# Altium PCB 400442.PcbDoc (part 4 of 4) (continued)
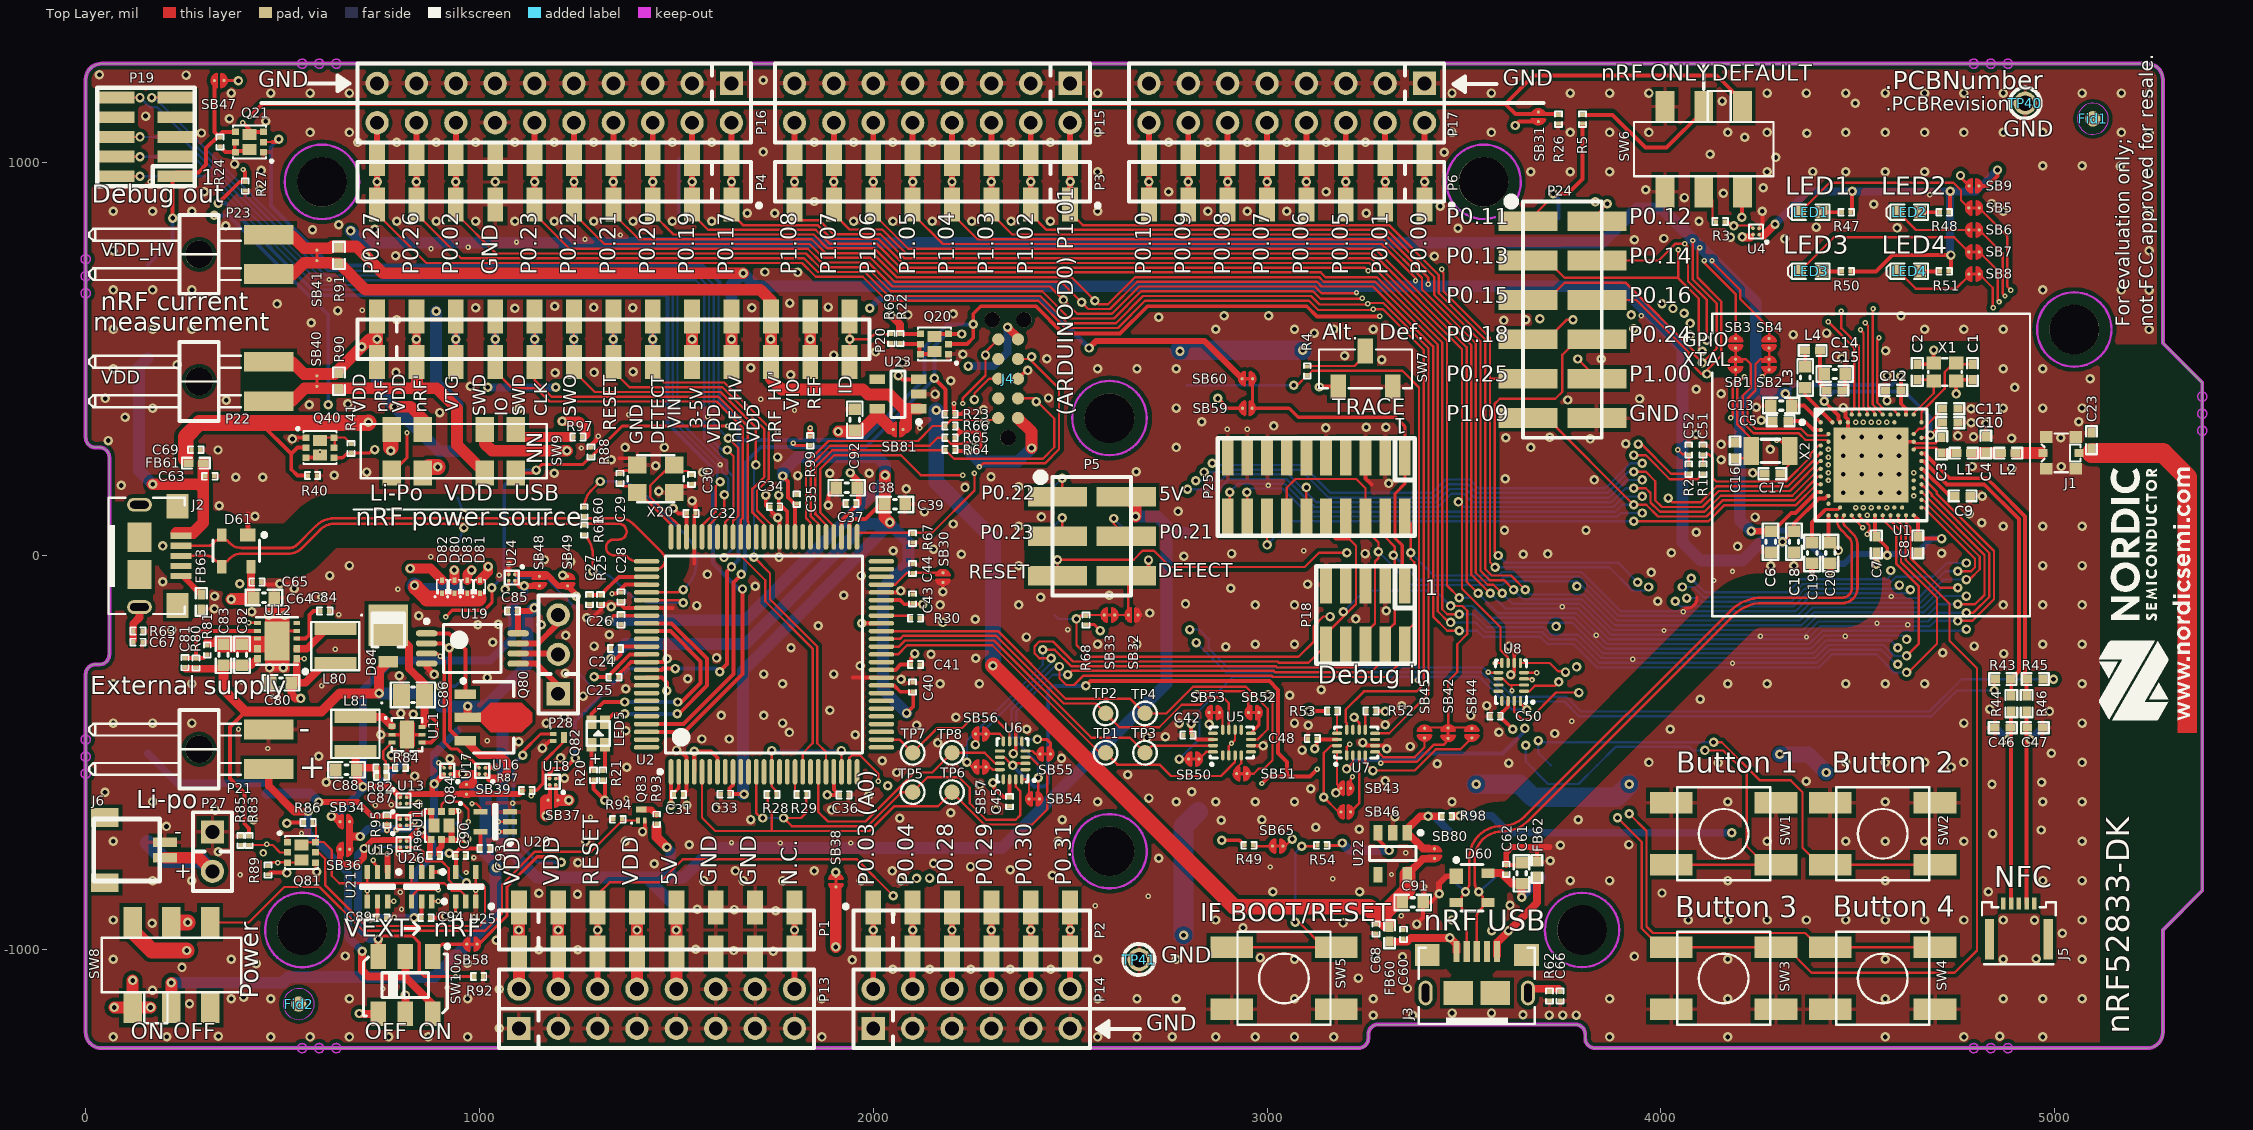
[diagram p0: Top Layer view]
## Nets (pads, with @x,y where several pads share a name; then routed paths per layer and width w, separated by ;. In a path a pad name is that pad's centre, name@x,y a point inside that pad or via, vN(x,y) a via of type N, cw(c..) or ccw(c..) an arc to the next point about the centre after c; other vN are vias at no path point) (continued)
  Bottom Layer w30: P7.1@1100,-1007.68 P7.1@1100,-892.32 ; P7.2@1200,-1007.68 P7.2@1200,-892.32 ; P7.4@1400,-1007.68 P7.4@1400,-892.32
VIO_REF: P20.12 P26.12 R99.2 | length 476.1
  Top Layer w15: R99.2@1840,304.62 1840,311.49 v2(1840,324.62)
  Top Layer w30: P20.12@1840,492.32 v1(1840,550) P20.12@1840,607.68
  Mid-Layer 1 w15: v2(1840,324.62) v1(1840,550)
  Bottom Layer w30: P26.12@1840,492.32 v1(1840,550) P26.12@1840,607.68
VLI-ION: D82.2 J6.2 P27.2 SW9.5 TP31.1 | length 1929.2
  Top Layer w25: v1(824,-32) 875.41,-32 D82.2@905,-61.59
  Top Layer w30: J6.2@201,-766.69 287.69,-766.69 P27.2@322,-801
  Top Layer w40: v1@775,275 775,318.6 SW9.5@777.52,321.12
  Mid-Layer 2 w40: P27.2@322,-801 306,-801 245.5,-740.5 245.5,-657.5 414,-489 414,-281 472,-223 552,-223 743,-32 775,-32 ; v1(775,267) 775,-32 ; 840,-32 v1(824,-32) 775,-32
  Bottom Layer w40: TP31.1@157.48,-728.35 201.13,-772 293,-772 P27.2@322,-801
VREG: C87.2 C88.2 L81.2 R82.2 SB34.2 SB48.2 TP47.1 U13.A1 U24.A2 | length 1453.2
  Top Layer w15: v1(704,-586) 772,-586 U13.A1@796.5,-610.5 ; 1094,-66.45 1093.45,-66.45 1103.3,-76.3 v1(1114,-76.3) 1138.1,-76.3 SB48.2@1151,-76.3
  Top Layer w20: v1(624,-661) 631.8,-661 639.94,-669.14 ; L81.2@685,-498.31 685,-539.43 C88.2@688.57,-543 ; v1(704,-586) 688.57,-570.57 C88.2@688.57,-543 ; C87.2@739.78,-560 738.78,-559 R82.2@738.78,-538 693.57,-538 C88.2@688.57,-543
  Bottom Layer w20: v1(624,-661) 635.57,-661 704,-592.57 v1(704,-586) ; TP47.1@826.77,-501.97 742.74,-586 v1(704,-586) ; v1(1114,-76.3) 1114,-97 1083,-128 1083,-209.6 1026.85,-265.75 778.25,-265.75 702.57,-341.43 704,-342.85 v1(704,-586)
VREG_EN: Q81.2 R83.2 R85.1 U20.2 | length 899.1
  Top Layer w5.91: R85.1@393.87,-734.22 R83.2@414.87,-734.22 474.94,-734.22 493.72,-753 Q81.2@510.6,-753 ; v2(1048,-675) U20.2@1077.4,-675
  Mid-Layer 1 w5.91: v2@460,-734.22 460,-654 512,-602 676,-602 680.91,-606.91 1022.91,-606.91 1048,-632 v2(1048,-675)
  other v2: 460,-732.22
VREG_EN_INV: Q81.6 R86.2 U21.3 U25.2 U26.3 | length 625.7
  Top Layer w5.91: Q81.6@548,-734.3 554.89,-727.41 Q81.6@585.2,-727.41 ; R86.2@576.22,-677 576.22,-677.59 578.54,-679.91 579.13,-679.91 584.69,-685.46 584.69,-726.69 604.69,-726.69 625,-747 625,-812 644,-831 715.41,-831 ; U21.3@715.41,-802.6 715.41,-831 ; U26.3@827.41,-802.6 827.41,-831 ; U25.2@965,-864 951,-850 930,-850 911,-831 827.41,-831 ; 715.41,-831 827.41,-831
VSENSE_SW_OUT: SB39.1 SW8.2 TP30.1 U16.A2 U17.A1 | length 1454.2
  Top Layer w9.84: U17.A1@925.87,-553.87 940,-553.87 ; 983.13,-553.87 U16.A2@999.13,-553.87
  Top Layer w20: 940,-553.87 983.13,-553.87 983.13,-577.57 980.5,-580.2 980,-580.7
  Top Layer w30: SW8.2@217.62,-1147.27 v1(217.62,-1084.01)
  Bottom Layer w30: v1(217.62,-1084.01) 501.05,-1084.01 516,-1069.06 885.94,-1069.06 1041,-914 1041,-781.13 1015,-755.13 1015,-611 v1(957,-553)
  other v1: 1043,-792
VSRC_NRF: SW9.2 SW10.5 | length 1640.2
  Top Layer w20: SW10.5@812,-1162.83 v1(812,-1115)
  Top Layer w40: SW9.2@856.26,210.88 871.38,226 v1(894,226)
  Mid-Layer 2 w40: v1@812,-1108 873,-1047 873,-870 1025,-718 1025,-518 840.93,-333.93 840.93,-236.07 890,-187.01 890,-16.95 856.26,16.79 856.26,188.26 v1(894,226)
VSUPPLY: C89.2 C90.2 C93.2 C94.2 Q84.4 R86.1 R87.1 R89.1 R96.1 SB34.1 SB36.1 SB39.2 TP29.1 U13.A2 U15.A2 U17.A2 U20.5 U21.5 U25.5 U26.5 | length 2144.7
  Top Layer w10: R89.1@463,-809.22 463.59,-809.22 468.81,-804 v1@511,-804 ; v1(511,-679) 513,-677 R86.1@553.78,-677 ; v1(722,-919) C89.2@740.78,-919 740.78,-877.62 U21.5@741,-877.4 ; v1(834,-919) C94.2@852.78,-919 852.78,-877.62 U26.5@853,-877.4 ; U25.5@939.41,-802.6 940.78,-801.23 C90.2@940.78,-761 940.78,-753.17 950.94,-743 C93.2@1002.78,-743 1002.78,-700.77 U20.5@1002.6,-700.59
  Top Layer w15: U15.A2@817.5,-721.5 842.9,-696.1 851.9,-696.1 v1(852.8,-695.2) 857.7,-700.1 857.7,-709.7 874.78,-726.78 R96.1@874.78,-759 ; U13.A2@818,-610 823.3,-604.7 880,-604.7 880,-584 v1(885,-579) U17.A2@907,-557 ; 880,-605 880,-604.9 952.8,-604.9 981.2,-604.9 1099.88,-604.9 R87.1@1108.78,-596 ; v1(923,-755) 934.78,-755 C90.2@940.78,-761
  Top Layer w18: SB36.1@670.4,-746.1 SB36.1@670.4,-745 670.4,-731.1 670.4,-688.9 SB34.1@670.4,-675
  Top Layer w20: 672.89,-712.59 v1(697,-712.59)
  Mid-Layer 2 w10: v1@511,-804 v1(511,-679) 546,-679 554,-687 671.41,-687 v1(697,-712.59)
  Bottom Layer w15: 880.3,-753.5 881.8,-755 v1(923,-755)
  Bottom Layer w20: v1(697,-712.59) 716.83,-692.76 v1@845.59,-692.76 ; v1(722,-919) v1(834,-919) 834,-808 880.3,-761.7 880.3,-753.5 880.3,-727.47 v1@850.42,-697.58 ; v1@853.8,-696.2 885,-665 v1(885,-579) 885,-502.8 TP29.1@944.88,-442.91
  other v1: 511,-805
VSUPPLY_EN: Q82.3 R87.2 U17.B2 U20.1 | length 604.7
  Top Layer w5.91: v2(897,-525) U17.B2@910.13,-538.13
  Top Layer w8: v3(1049.59,-700.59) U20.1@1077.4,-700.59 ; v3(1131.22,-609.78) R87.2@1131.22,-596 1144,-596 1161,-579 1161,-525 1214.78,-471.22 Q82.3@1214.78,-461
  Mid-Layer 1 w8: v2(897,-525) 946.91,-574.91 1031.91,-574.91 1066.78,-609.78 ; v3(1049.59,-700.59) 1067,-683.18 1067,-610 1066.78,-609.78 ; v3(1131.22,-609.78) 1066.78,-609.78
XC1: C1.1 U1.B24 X1.1 | length 230.9
  Top Layer w5.91: U1.B24@4661.95,339.27 4661.95,365.77 4721.01,424.82 4721.01,467.22 4740.51,486.72 C1.1@4791.45,486.72
XC2: C2.1 U1.A23 X1.3 | length 149.1
  Top Layer w5.91: U1.A23@4642.27,358.95 4642.27,362.51 4692.9,413.14 X1.3@4692.9,444.4 4689.95,447.35 C2.1@4651.45,447.35
XIN: C29.1 U2.75 X20.3 | length 205.6
  Top Layer w5.91: C29.1@1356.61,185.78 1357.2,185.78 1359.51,183.46 1359.51,182.87 1365.07,177.31 1384.34,177.31 X20.3@1400.6,161.06 ; X20.3@1400.6,160.94 1405.28,160.94 1486.39,79.84 U2.75@1486.39,48.23
XOUT: C30.1 U2.74 X20.1 | length 298.6
  Top Layer w5.91: U2.74@1506.07,48.23 1506.07,77.93 1500,84 1494.29,89.71 1493.48,89.71 1433.61,149.59 1433.61,178.61 1486.06,231.06 X20.1@1494.61,231.06 1509.99,215.68 1528.14,215.68 1535.7,208.13 1535.7,207.53 1538.02,205.22 C30.1@1538.61,205.22
pads on no net: Fid1.0 Fid2.0 J2.4 J2.6@136.53,129.92 J2.6@136.53,-129.92 J3.4 J3.6@3402.73,-1109.96 J3.6@3662.57,-1109.96 J4.0 J4.7 J4.9 J5.0 J5.1 J5.3 J5.5 J6.0 P18.7 P18.8 P19.7 P19.8 P21.0 P22.0 P23.0 P25.7 P25.8 P25.11 P25.13 SW8.1 U1. U1.A18 U1.AB2 U1.AC15 U1.AC19 U1.AC21 U1.B19 U1.T23 U1.V23 U2.6 U2.8 U2.10 U2.11 U2.13 U2.15 U2.16 U2.19 U2.25 U2.26 U2.28 U2.29 U2.30 U2.31 U2.32 U2.33 U2.37 U2.44 U2.48 U2.49 U2.50 U2.58 U2.64 U2.69 U2.86 U2.93 U2.94 U2.95 U2.96 U2.99 U2.100 U5.1 U5.5 U5.9 U5.13 U6.1 U6.5 U6.9 U6.13 U7.7 U7.11 U8.11 U8.12 U8.13 U12.5 U22.4 U23.4
copper on no net: | length 142.5
  Bottom Layer w10: 1506,866.53 1506,1009

## Polygon pours and split planes (outlines as drawn)
VDD on Mid-Layer 2 "Mid_Layer_2-VDD" (solid, remove dead copper, pour order 10): -150,-1400 -150,1450 5450,1450 5450,-1400
VDD_SAM on Mid-Layer 2 "Mid_Layer_2-VDD_SAM" (solid, pour order 8): 1410.89,53.95 1410.89,-565.79 2029.73,-565.79 2029.73,53.95
GND on Top Layer "Top_Layer-GND" (solid, remove dead copper, pour order 12): -150,-1400 -150,1450 5450,1450 5450,-1400
GND on Mid-Layer 1 "Mid_Layer_1-GND" (solid, remove dead copper, pour order 7): -150,-1400 -150,1450 5450,1450 5450,-1400
GND on Bottom Layer "Bottom_Layer-GND" (solid, remove dead copper, pour order 6): -150,-1400 -150,1450 5450,1450 5450,-1400

## Keep-outs
Top Layer:
  lines w6: 643.15,-934.14 ccw(c550,-950) 643.26,-934.8 ; 2693.15,-734.14 ccw(c2600,-750) 2693.26,-734.8 ; 3578.36,859.87 cw(c3550,950) 3617.82,884.21
Mid-Layer 1:
  circle w6: c2600,-750 r94.49
  circle w6: c3550,950 r94.49
  circle w6: c550,-950 r94.49
Mid-Layer 2:
  circle w6: c3550,950 r94.49
  circle w6: c550,-950 r94.49
  lines w6: 2574.04,-840.85 cw(c2600,-750) 2626.77,-840.62
Bottom Layer:
  circle w6: c2600,-750 r94.49
  circle w6: c3550,950 r94.49
  circle w6: c550,-950 r94.49
Keep-Out Layer:
  circle w6: c5050,575 r94.49
  circle w6: c600,950 r94.49
  circle w6: c2600,350 r94.49
  circle w6: c3800,-950 r94.49
  circle w3.94: c549.9,-1250 r11.81
  circle w3.94: c593.2,-1250 r11.81
  circle w3.94: c636.5,-1250 r11.81
  circle w3.94: c4881.38,-1250 r11.81
  circle w3.94: c4838.08,-1250 r11.81
  circle w3.94: c4794.78,-1250 r11.81
  circle w3.94: c5375.03,404.55 r11.81
  circle w3.94: c5375.03,361.25 r11.81
  circle w3.94: c5375.03,317.95 r11.81
  circle w3.94: c4794.78,1250 r11.81
  circle w3.94: c4838.08,1250 r11.81
  circle w3.94: c4881.38,1250 r11.81
  circle w3.94: c549.9,1250 r11.81
  circle w3.94: c593.2,1250 r11.81
  circle w3.94: c636.5,1250 r11.81
  circle w3.94: c0,667 r11.81
  circle w3.94: c0,710.3 r11.81
  circle w3.94: c0,753.6 r11.81
  circle w3.94: c0,-552.97 r11.81
  circle w3.94: c0,-509.67 r11.81
  circle w3.94: c0,-466.37 r11.81
  lines w10: 0,-1210 ccw(c40,-1210) 40,-1250 3232.24,-1250 ccw(c3232.24,-1225) 3257.24,-1225 3257.24,-1215 cw(c3282.24,-1215) 3282.24,-1190 3783.05,-1190 cw(c3783.05,-1215) 3808.05,-1215 3808.05,-1225 ccw(c3833.05,-1225) 3833.05,-1250 5235,-1250 ccw(c5235,-1210) 5275,-1210 5275,-950 5375,-850 5375,440 5275,540 5275,1210 ccw(c5235,1210) 5235,1250 40,1250 ccw(c40,1210) 0,1210 0,300.4 ccw(c25,300.4) 25,275.4 35,275.4 cw(c35,250.4) 60,250.4 60,-250.4 cw(c35,-250.4) 35,-275.4 25,-275.4 ccw(c25,-300.4) 0,-300.4 0,-1210

## Other copper
Top Layer:
  rectangle net ANT: 5311.79,-449.1 5361.79,-419.1
  rectangle net GND: 334,-245 479,-203
  rectangle net GND: 455,-293 517,-132
  pour cut-out: 4293,-15 4293,73.52 4318.45,73.52 4318.45,-15
  pour cut-out: 4665.2,218.21 4773.17,218.21 4773.17,291.04 4741.68,291.04 4741.68,332.21 4665.2,332.21
  pour cut-out: 4764,286.04 4764,235.96 4918.05,235.96 4918.05,286.04
  pour cut-out: 4631.6,388.48 4811.72,388.48 4811.72,546.06 4631.61,546.06
  pour cut-out: 1220.77,157.16 1365.16,157.16 cw(c1339.84,61.87) 1425.2,111.22 1477.36,49.21 cw(c1407.64,-14.58) 1501.97,-8.86 cw(c1433.91,1.34) 1425.2,-66.93 1361.22,-66.93 cw(c1366.63,57.77) 1274.59,-26.54 1251.16,6.66 ccw(c1220.87,-23.5) 1220.77,19.25 cw(c4827.76,88.2)
  pour cut-out: 3569.2,-1053 3569.2,-962 3803.94,-962 3803.94,-1053
  pour cut-out: 4356.83,-15.06 4356.83,43.99 4455.26,43.99 4455.26,-15.06
  pour cut-out: 4543.84,201.47 4543.84,260.53 4642.27,260.53 4642.27,201.47
  pour cut-out: 4635.31,74.01 4593.55,115.77 4663.15,185.37 4704.9,143.61
  pour cut-out: 2383,-32 2680.02,-32 2679.97,38 2383,38
  pour cut-out: 5114.97,-1300 5385.28,-1300 5383.76,538 5115.14,538
  pour cut-out: 50.98,-139.6 171.17,-139.6 170.94,139 51.01,139
  pour cut-out: 1141,-242 1141,-192 1091,-192 1091,-242
  pour cut-out: 443,788 393,788 393,738 443,738
  pour cut-out: 3401,155 3351,155 3351,105 3401,105
  pour cut-out: 2392,840 1905,840 1905,790 2392,790
  pour cut-out: 4219,453 4219,503 4136,503 4136,453
  pour cut-out: 872,-1204 872,-1154 822,-1154 822,-1204
  pour cut-out: 805,-1025 805,-975 755,-975 755,-1025
  pour cut-out: 796,-1205 796,-1121.5 746,-1121.5 746,-1205
  pour cut-out: 443,467.91 393,467.91 393,417.91 443,417.91
Mid-Layer 1:
  pour cut-out: 1114.76,-108 1114.76,-17 1265.24,-17 1265.24,-108
  pour cut-out: 3625.13,1063.5 3625.13,1154.5 3755,1154.5 3755,1063.5
  pour cut-out: 2013.26,280 2013.26,371 2106.74,371 2106.74,280
  pour cut-out: 3377.26,-802 3377.26,-711 3470.74,-711 3470.74,-802
  pour cut-out: 5114.97,-1300 5385.28,-1300 5383.76,538 5115.14,538
  pour cut-out: 4111.81,589.48 4344.78,589.48 4344.78,432 4111.81,432
  pour cut-out: 608.26,-806 608.26,-616 701.74,-616 701.74,-806
  pour cut-out: 921.26,-640 921.26,-549 1014.74,-549 1014.74,-640
  pour cut-out: 2981.26,-780 2981.26,-689 3074.74,-689 3074.74,-780
  pour cut-out: 2233.26,-494 2233.26,-403 2326.74,-403 2326.74,-494
  pour cut-out: 2228.26,-577 2228.26,-486 2321.74,-486 2321.74,-577
  pour cut-out: 2386.52,-547.5 2386.52,-456.5 2480,-456.5 2480,-547.5
  pour cut-out: 2361,-660.5 2361,-569.5 2454.48,-569.5 2454.48,-660.5
  pour cut-out: 2554.26,-199 2554.26,-108 2703,-108 2703,-199
  pour cut-out: 4748.52,672.5 4748.52,999.5 4842,999.5 4842,672.5
  pour cut-out: 293.26,1157 293.26,1248 386.74,1248 386.74,1157
  pour cut-out: 2766.26,-563 2766.26,-472 2859.74,-472 2859.74,-563
  pour cut-out: 2812.52,-439.5 2812.52,-348.5 2906,-348.5 2906,-439.5
  pour cut-out: 2920.26,-442.46 2920.26,-351.46 3013.74,-351.46 3013.74,-442.46
  pour cut-out: 2888.56,-596 2888.56,-505 2982.04,-505 2982.04,-596
  pour cut-out: 1120,-664 1120,-573 1249.87,-573 1249.87,-664
  pour cut-out: 2134.32,-101.02 2134.32,-10.02 2227.8,-10.02 2227.8,-101.02
  pour cut-out: 3151.26,-699 3151.26,-535 3244.74,-535 3244.74,-699
  pour cut-out: 3345.63,-495 3345.63,-404 3580.37,-404 3580.37,-495
  pour cut-out: 538.52,714.5 538.52,805.5 632,805.5 632,714.5
  pour cut-out: 539.52,398.41 539.52,489.41 633,489.41 633,398.41
  pour cut-out: 1859.52,-871.5 1859.52,-780.5 1953,-780.5 1953,-871.5
  pour cut-out: 931.26,-1034 931.26,-943 1024.74,-943 1024.74,-1034
  pour cut-out: 2899.26,403 2899.26,494 2992.74,494 2992.74,403
  pour cut-out: 2900.26,326 2900.26,417 2993.74,417 2993.74,326
  pour cut-out: 5175,182.77 4721.2,182.77 4721.2,340.25 5175,340.25
Mid-Layer 2:
  pour cut-out: 5114.97,-1300 5385.28,-1300 5383.76,538 5115.14,538
  pour cut-out: 5175,182.77 4721.2,182.77 4721.2,340.25 5175,340.25
Bottom Layer:
  pour cut-out: 5114.97,-1300 5385.28,-1300 5383.76,538 5115.14,538
  pour cut-out: 1400,-171 1350,-171 1350,-221 1400,-221

## Silkscreen, mask and mechanical layers (free items; w line width, h text height)
Top Overlay:
  drawing of 81 lines, arcs and shapes, not listed
  text "nRF ONLY" at 3849,1193 h70
  text "DEFAULT" at 4129,1193 h70
  text "GND" at 3597.99,1179.47 h70
  text "GND" at 437.99,1176 h70
  text ".PCBNumber" at 4568.05,1169.99 h80
  text ".PCBRevision" at 4570.6,1118.69 h60
  text "GND" at 4870,1050 h70
  text "LED1" at 4315.84,901.73 h80
  text "LED2" at 4559.84,901.73 h80
  text "Debug out" at 15.99,881 h80
  text "P0.11" at 3455,828 h70
  text "P0.12" at 3920,828 h70
  text "LED3" at 4310.84,752.73 h80
  text "LED4" at 4560.84,752.73 h80
  text "VDD_HV" at 40,749 h55
  text "P0.13" at 3455,728 h70
  text "P0.14" at 3920,728 h70
  text "P0.27" at 760,714 h70 r90
  text "P0.26" at 860,714 h70 r90
  text "P0.02" at 960,714 h70 r90
  text "GND" at 1060,714 h70 r90
  text "P0.23" at 1160,714 h70 r90
  text "P0.22" at 1260,714 h70 r90
  text "P0.21" at 1360,714 h70 r90
  text "P0.20" at 1460,714 h70 r90
  text "P0.19" at 1560,714 h70 r90
  text "P0.17" at 1660,714 h70 r90
  text "P1.08" at 1820,714 h70 r90
  text "P1.07" at 1920,714 h70 r90
  text "P1.06" at 2020,714 h70 r90
  text "P1.05" at 2120,714 h70 r90
  text "P1.04" at 2220,714 h70 r90
  text "P1.03" at 2320,714 h70 r90
  text "P1.02" at 2420,714 h70 r90
  text "P0.10" at 2720,714 h70 r90
  text "P0.09" at 2820,714 h70 r90
  text "P0.08" at 2920,714 h70 r90
  text "P0.07" at 3020,714 h70 r90
  text "P0.06" at 3120,714 h70 r90
  text "P0.05" at 3220,714 h70 r90
  text "P0.01" at 3320,714 h70 r90
  text "P0.00" at 3420,714 h70 r90
  text "P0.15" at 3455,628 h70
  text "P0.16" at 3920,628 h70
  text "nRF current" at 38,608 h80
  text "For evaluation only; / not FCC approved for resale." at 5262,582.2 h60 r90
  text "measurement" at 19,557 h80
  text "Alt." at 3140,535 h70
  text "Def." at 3285,535 h70
  text "P0.18" at 3455,528 h70
  text "P0.24" at 3920,528 h70
  text "GPIO" at 4055,520 h60
  text "XTAL" at 4055,470 h60
  text "P0.25" at 3455,428 h70
  text "P1.00" at 3920,428 h70
  text "VDD" at 40,426 h55
  text "ID" at 1957.25,410.3 h55 r90
  text "VIO / REF" at 1878.15,370.91 h55 r90
  text "VTG" at 957,366.38 h55 r90
  text "VDD / nRF" at 778,363.4 h55 r90
  text "VDD / nRF'" at 878,363.4 h55 r90
  text "(ARDUINO D0) P1.01" at 2522,355.4 h70 r90
  text "SWD / IO" at 1083,354.4 h55 r90
  text "SWD / CLK" at 1183,354.4 h55 r90
  text "SWO" at 1257,353.93 h55 r90
  text "TRACE" at 3165,345 h70
  text "P1.09" at 3455,328 h70
  text "GND" at 3920,328 h70
  text "VIN / 3-5V" at 1578,324.52 h55 r90
  text "RESET" at 1359,317.38 h55 r90
  text "VDD / nRF_HV" at 1678,286.52 h55 r90
  text "VDD / nRF_HV'" at 1778,286.52 h55 r90
  text "GND / DETECT" at 1481,283.97 h55 r90
  text "P0.22" at 2274.3,131.17 h60
  text "5V" at 2726.3,129.17 h60
  text "Li-Po   VDD   USB" at 721,126 h70
  text "nRF power source" at 686,61 h80
  text "P0.21" at 2726.3,32.17 h60
  text "P0.23" at 2272.3,31.17 h60
  text "DETECT" at 2722.84,-66 h60
  text "RESET" at 2242.3,-68.83 h60
  text "Debug in" at 3129,-339.77 h80
  text "External supply" at 10.99,-366 h80
  text "-" at 540.99,-465 h60
  text "+" at 540.99,-565 h60
  text "Button 1" at 4039.13,-568.25 h90
  text "Button 2" at 4434.67,-568.25 h90
  text "Li-po" at 128,-656 h80
  text "-" at 225,-718 h40
  text "+" at 225,-818 h40
  text "N.C." at 1821,-838 h70 r90
  text "VDD" at 1116.75,-838.13 h70 r90
  text "VDD" at 1216.75,-838.13 h70 r90
  text "RESET" at 1316.75,-838.13 h70 r90
  text "VDD" at 1416.75,-838.13 h70 r90
  text "5V" at 1516.75,-838.13 h70 r90
  text "GND" at 1616.75,-838.13 h70 r90
  text "GND" at 1716.75,-838.13 h70 r90
  text "P0.03 (A0)" at 2016.75,-838.13 h70 r90
  text "P0.04" at 2116.75,-838.13 h70 r90
  text "P0.28" at 2216.75,-838.13 h70 r90
  text "P0.29" at 2316.75,-838.13 h70 r90
  text "P0.30" at 2416.75,-838.13 h70 r90
  text "P0.31" at 2516.75,-838.13 h70 r90
  text "NFC" at 4847.37,-859.22 h90
  text "Button 4" at 4436.67,-934.6 h90
  text "Button 3" at 4036.13,-935.04 h90
  text "IF BOOT/RESET" at 2831,-943.5 h80
  text "nRF USB" at 3397.57,-969.27 h90
  text "VEXT   nRF" at 656,-982 h80
  text "GND" at 2732,-1047 h70
  text "Power" at 453,-1124 h80 r90
  text "nRF52833-DK" at 5208,-1214 h100 r90
  text "GND" at 2692.98,-1220.06 h70
  text "ON" at 114.62,-1241 h70
  text "OFF" at 222.62,-1241 h70
  text "OFF" at 709,-1242 h70
  text "ON" at 844,-1242 h70
Bottom Overlay:
  drawing of 1250 lines, arcs and shapes, not listed
  text "J-Link" at 395,1215.1 h57 r90
  text "www.segger.com" at 440.3,1211.9 h66 r90
  text "TM" at 378.4,1078.5 h37 r90
  text "S" at 321.8,1070.1 h53 r90
  text "E" at 321.8,1035.07 h53 r90
  text "Technology" at 395,1028 h57 r90
  text "G" at 321.8,1004.2 h53 r90
  text "G" at 321.8,965.2 h53 r90
  text "E" at 321.8,924.9 h53 r90
  text "R" at 321.8,892 h53 r90
  text "P0.27" at 759.96,841 h65 r90
  text "P0.26" at 859.96,841 h65 r90
  text "P0.02" at 959.96,841 h65 r90
  text "GND" at 1060,841 h65 r90
  text "P0.23" at 1159.96,841 h65 r90
  text "P0.22" at 1259.96,841 h65 r90
  text "P0.21" at 1359.96,841 h65 r90
  text "P0.20" at 1459.96,841 h65 r90
  text "P0.19" at 1559.96,841 h65 r90
  text "P0.17" at 1659.96,841 h65 r90
  text "P1.08" at 1819.96,841 h65 r90
  text "P1.07" at 1920,841 h65 r90
  text "P1.06 (D5)" at 2020,841 h65 r90
  text "P1.05 (D4)" at 2120,841 h65 r90
  text "P1.04 (D3)" at 2220,841 h65 r90
  text "P1.03 (D2)" at 2320,841 h65 r90
  text "P1.02 (D1)" at 2420,841 h65 r90
  text "P1.01 (ARDUINO D0)" at 2520,841 h65 r90
  text "P0.10" at 2720,841 h70 r90
  text "P0.09" at 2820,841 h70 r90
  text "P0.08" at 2920,841 h70 r90
  text "P0.07" at 3020,841 h70 r90
  text "P0.06" at 3120,841 h70 r90
  text "P0.05" at 3220,841 h70 r90
  text "P0.01" at 3320,841 h70 r90
  text "P0.00" at 3419,841 h70 r90
  text "(SCL)" at 803.96,800 h65 r90
  text "(SDA)" at 903.96,800 h65 r90
  text "(AREF)" at 1003.96,800 h65 r90
  text "(D13)" at 1203.96,800 h65 r90
  text "(D12)" at 1303.96,800 h65 r90
  text "(D11)" at 1403.96,800 h65 r90
  text "(D10)" at 1503.96,800 h65 r90
  text "(D9)" at 1603.96,800 h65 r90
  text "(D8)" at 1703.96,800 h65 r90
  text "(D7)" at 1863.96,800 h65 r90
  text "(D6)" at 1963.96,800 h65 r90
  text "GPIO" at 3664,767.35 h78.5 r90
  text "P0.00" at 3815,765 h75 r90
  text "P0.01" at 4027,765 h75 r90
  text "P0.11" at 4186,765 h75 r90
  text "P0.12" at 4292,765 h75 r90
  text "P0.24" at 4398,765 h75 r90
  text "P0.25" at 4504,765 h75 r90
  text "P0.13" at 4610,765 h75 r90
  text "P0.14" at 4716,765 h75 r90
  text "P0.15" at 4822,765 h75 r90
  text "P0.16" at 4928,765 h75 r90
  text "Function" at 3664,552 h78.5 r90
  text "Button 4" at 4504,541.55 h75 r90
  text "Button 2" at 4292,540.65 h75 r90
  text "Button 3" at 4398,540.9 h75 r90
  text "Button 1" at 4186,536.86 h75 r90
  text "LED 4" at 4928,500.46 h75 r90
  text "LED 2" at 4716,499.55 h75 r90
  text "LED 3" at 4822,499.8 h75 r90
  text "LED 1" at 4610,495.77 h75 r90
  text "XL2" at 4027,468.55 h75 r90
  text "XL1" at 3815,464.77 h75 r90
  text "GPIO" at 1076,395.87 h78.5 r90
  text "P0.05" at 1174,395 h75 r90
  text "P0.06" at 1280,395 h75 r90
  text "P0.07" at 1386,395 h75 r90
  text "P0.08" at 1492,395 h75 r90
  text "P0.18" at 1598,395 h75 r90
  text "P1.00" at 1704,395 h75 r90
  text "P0.09" at 2056,395 h75 r90
  text "P0.10" at 2236,395 h75 r90
  text "SWDCLK" at 1916,294 h75 r90
  text "SWDIO" at 1810,259 h75 r90
  text "SB2" at 3762,215 h75 r90
  text "SB4" at 3868,215 h75 r90
  text "SB1" at 3974,215 h75 r90
  text "SB3" at 4080,215 h75 r90
  text "SB5" at 4610,215 h75 r90
  text "SB6" at 4716,215 h75 r90
  text "SB7" at 4822,215 h75 r90
  text "SB8" at 4928,215 h75 r90
  text "Short" at 3664,194.68 h78.5 r90
  text "Function" at 1076,180.51 h78.5 r90
  text "RESET" at 1597,145.94 h75 r90
  text "NFC2" at 2237,120.72 h75 r90
  text "NFC1" at 2057,116.94 h75 r90
  text "SWO" at 1704,114.85 h75 r90
  text "RXD" at 1492,103.95 h75 r90
  text "TXD" at 1280,101.9 h75 r90
  text "CTS" at 1386,101.09 h75 r90
  text "RTS" at 1174,100.23 h75 r90
  text "GPIO" at 3985.72,-50.51 h70 r90
  text "HW" at 1091.75,-130 h78.5 r90
  text "IF / MCU" at 1709,-145 h70 r90
  text "HW" at 3664,-145.32 h78.5 r90
  text "GPIO" at 1369,-155 h70 r90
  text "GPIO" at 2280.73,-211.4 h70 r90
  text "VDD" at 4644,-239.51 h70 r90
  text "N.C" at 2160,-255 h50 r90
  text "PIN" at 3808.22,-269.51 h70 r90
  text "PIN" at 2003.28,-298.4 h70 r90
  text "0R" at 2270,-375 h50 r90
  text "IF OFF" at 1525,-415 h70 r90
  text "NFC" at 2124.28,-414.4 h70 r90
  text "Button 2" at 4292,-535.14 h75 r90
  text "Button 1" at 4186,-538.92 h75 r90
  text "Funct." at 4088,-566.75 h78.5 r90
  text "Function" at 4603,-569.51 h70 r90
  text "Default" at 4910,-573.51 h70 r90
  text "CTS" at 4398,-603.2 h75 r90
  text "P0.03 (A0)" at 2015,-619.6 h65 r90
  text "P0.04 (A1)" at 2115,-620 h65 r90
  text "P0.28 (A2)" at 2215,-620 h65 r90
  text "P0.29 (A3)" at 2315,-620 h65 r90
  text "P0.31 (A5)" at 2515,-619.32 h65 r90
  text "P0.30 (A4)" at 2414.75,-620.68 h65 r90
  text "RESET" at 1319.75,-688.13 h65 r90
  text "GND" at 1716.75,-734.15 h65 r90
  text "GND" at 1619.75,-740.15 h65 r90
  text "N.C." at 1821.75,-740.15 h70 r90
  text "VDD" at 1120,-743.32 h65 r90
  text "VDD" at 1220,-743.32 h65 r90
  text "VDD" at 1420,-743.32 h65 r90
  text "5V" at 1521,-784.32 h65 r90
  text "HW" at 4498,-790.32 h78.5 r90
  text "P0.11" at 4186,-833.51 h75 r90
  text "P0.12" at 4292,-833.51 h75 r90
  text "P0.07" at 4398,-833.51 h75 r90
  text "Def." at 4088,-858 h78.5 r90
  text "Alternative" at 4900,-893.51 h70 r90
  text "Pb" at 394.45,-894.26 h120 r90
  text "TRACE / SW" at 4773,-909.51 h70 r90
  text "P1.07" at 4186,-1028.51 h75 r90
  text "P1.08" at 4292,-1028.51 h75 r90
  text "P0.04" at 4398,-1028.51 h75 r90
  text "Alt." at 4088,-1065.32 h78.5 r90
Board outline:
  the board outline again, w10
PCB info:
  lines w6.5: 336.67,5.96 383,5.96 cw(c383,-6.21) 391.6,2.4 394.91,-0.91 ccw(c416,20.18) 416,-9.65 ccw(c416,20.04) 436.99,-0.95 440.3,2.35 cw(c449,-6.35) 449,5.96 517.61,5.96 ccw(c517.61,47) 546.62,17.98 594.98,66.33 ; 336.68,20.05 453,20.05 ccw(c453,32.33) 461.7,23.63 465.01,26.94 cw(c486,5.94) 486,35.63 cw(c486,5.8) 507.09,26.89 510.4,23.59 ccw(c519,32.19) 519,20.02 ; 517.83,20.05 ccw(c517.83,46.66) 536.65,27.84 584.24,75.44 ; 584.14,75.54 cw(c632.81,26.88) 632.81,95.7 ; 594.57,65.93 cw(c632.41,28.1) 632.41,81.6 1354.62,81.6 ; 632.41,95.7 1354.62,95.7 ; 3513.48,-828.85 3513.48,-768.52 cw(c3596,-768.52) 3596,-686 ccw(c3596,-603.92) 3654.04,-661.96 3708,-608 ; 3527.56,-828.85 3527.56,-768.44 cw(c3596,-768.44) 3596,-700 ccw(c3596,-603.63) 3664.15,-671.77 3681.96,-653.96 ccw(c3673,-615) 3711.98,-623.96 ; 3708.82,-606.96 cw(c3748,-615) 3739.96,-575.82 ; 3711.97,-623.95 4186.63,-149.29 cw(c4257.34,-220) 4257.34,-120 4460.45,-120 ; 3740.08,-575.93 4176.67,-139.33 cw(c4257.34,-220) 4257.34,-105.91 4460.45,-105.91 ccw(c4460.45,-81) 4485.36,-81 4485.36,-68 ; 4447.9,91 ccw(c4483.87,91) 4458.44,65.56 4478,46 cw(c4460.22,28.22) 4485.36,28.22 4485.36,10 ; 4448.13,91 4448.13,100.34 ; 4460.45,-120.02 ccw(c4460.45,-81) 4499.46,-81 4499.46,-68 ; 4462,99.94 4462,91 ccw(c4483.87,91) 4468.41,75.53 4487.97,55.97 cw(c4460.22,28.22) 4499.46,28.22 4499.46,10
  lines w30: 4790.6,261 4970.46,261
  text "50ohm impedance" at 4560,300 h40
  text "90ohm differensial impedance" at 292,143 h40
  text "90ohm differensial impedance" at 3548,-683 h40 r45
Top Assembly:
  drawing of 47 lines, arcs and shapes, not listed
Bottom Assembly:
  drawing of 47 lines, arcs and shapes, not listed
Panel info:
  lines w6.5: 336.67,5.96 383,5.96 cw(c383,-6.21) 391.6,2.4 394.91,-0.91 ccw(c416,20.18) 416,-9.65 ccw(c416,20.04) 436.99,-0.95 440.3,2.35 cw(c449,-6.35) 449,5.96 517.61,5.96 ccw(c517.61,47) 546.62,17.98 594.98,66.33 ; 336.68,20.05 453,20.05 ccw(c453,32.33) 461.7,23.63 465.01,26.94 cw(c486,5.94) 486,35.63 cw(c486,5.8) 507.09,26.89 510.4,23.59 ccw(c519,32.19) 519,20.02 ; 517.83,20.05 ccw(c517.83,46.66) 536.65,27.84 584.24,75.44 ; 584.14,75.54 cw(c632.81,26.88) 632.81,95.7 ; 594.57,65.93 cw(c632.41,28.1) 632.41,81.6 1354.62,81.6 ; 632.41,95.7 1354.62,95.7 ; 3513.48,-828.85 3513.48,-768.52 cw(c3596,-768.52) 3596,-686 ccw(c3596,-603.92) 3654.04,-661.96 3708,-608 ; 3527.56,-828.85 3527.56,-768.44 cw(c3596,-768.44) 3596,-700 ccw(c3596,-603.63) 3664.15,-671.77 3681.96,-653.96 ccw(c3673,-615) 3711.98,-623.96 ; 3708.82,-606.96 cw(c3748,-615) 3739.96,-575.82 ; 3711.97,-623.95 4186.63,-149.29 cw(c4257.34,-220) 4257.34,-120 4460.45,-120 ; 3740.08,-575.93 4176.67,-139.33 cw(c4257.34,-220) 4257.34,-105.91 4460.45,-105.91 ccw(c4460.45,-81) 4485.36,-81 4485.36,-68 ; 4447.9,91 ccw(c4483.87,91) 4458.44,65.56 4478,46 cw(c4460.22,28.22) 4485.36,28.22 4485.36,10 ; 4448.13,91 4448.13,100.34 ; 4460.45,-120.02 ccw(c4460.45,-81) 4499.46,-81 4499.46,-68 ; 4462,99.94 4462,91 ccw(c4483.87,91) 4468.41,75.53 4487.97,55.97 cw(c4460.22,28.22) 4499.46,28.22 4499.46,10
  lines w30: 4790.6,261 4970.46,261
  text "50ohm impedance" at 4560,300 h40
  text "90ohm differensial impedance" at 292,143 h40
  text "90ohm differensial impedance" at 3548,-683 h40 r45

## Dimensions
5235,1210 to 5361.22,1336.22 on Dimension
0,-1210 to 3550,950 on Dimension
0,-1210 to 5275,-1210 on Dimension
0,-1210 to 5375,-850 on Dimension
0,-1210 to 550,-950 on Dimension
0,-1210 to 600,950 on Dimension
0,-1210 to 2600,-750 on Dimension
0,-1210 to 3800,-950 on Dimension
5235,-1250 to 5235,1250 on Dimension
5235,-1250 to 3800,-950 on Dimension
5235,-1250 to 2600,-750 on Dimension
5235,-1250 to 2600,350 on Dimension
5235,-1250 to 600,950 on Dimension
5235,-1250 to 5050,575 on Dimension
0,-1210 to 5050,575 on Dimension

## Text inside footprints (layer, text, board x,y; h text height)
Bat1: Bottom Overlay "+" at 532.68,-634.46 h70 r270
LED5: Top Overlay "-" at 1311.61,-378.36 h30 r180; Top Overlay "+" at 1311.61,-502.38 h30 r180
P18: Top Overlay "1" at 3400,-100 h40
P19: Top Overlay "1" at 294,942 h40
P25: Top Overlay "1" at 3356.3,350.2 h40 r180
SW9: Top Overlay "NN" at 1159.41,232.54 h40 r90